# KiCad board Keyboard.kicad_pcb (continued)
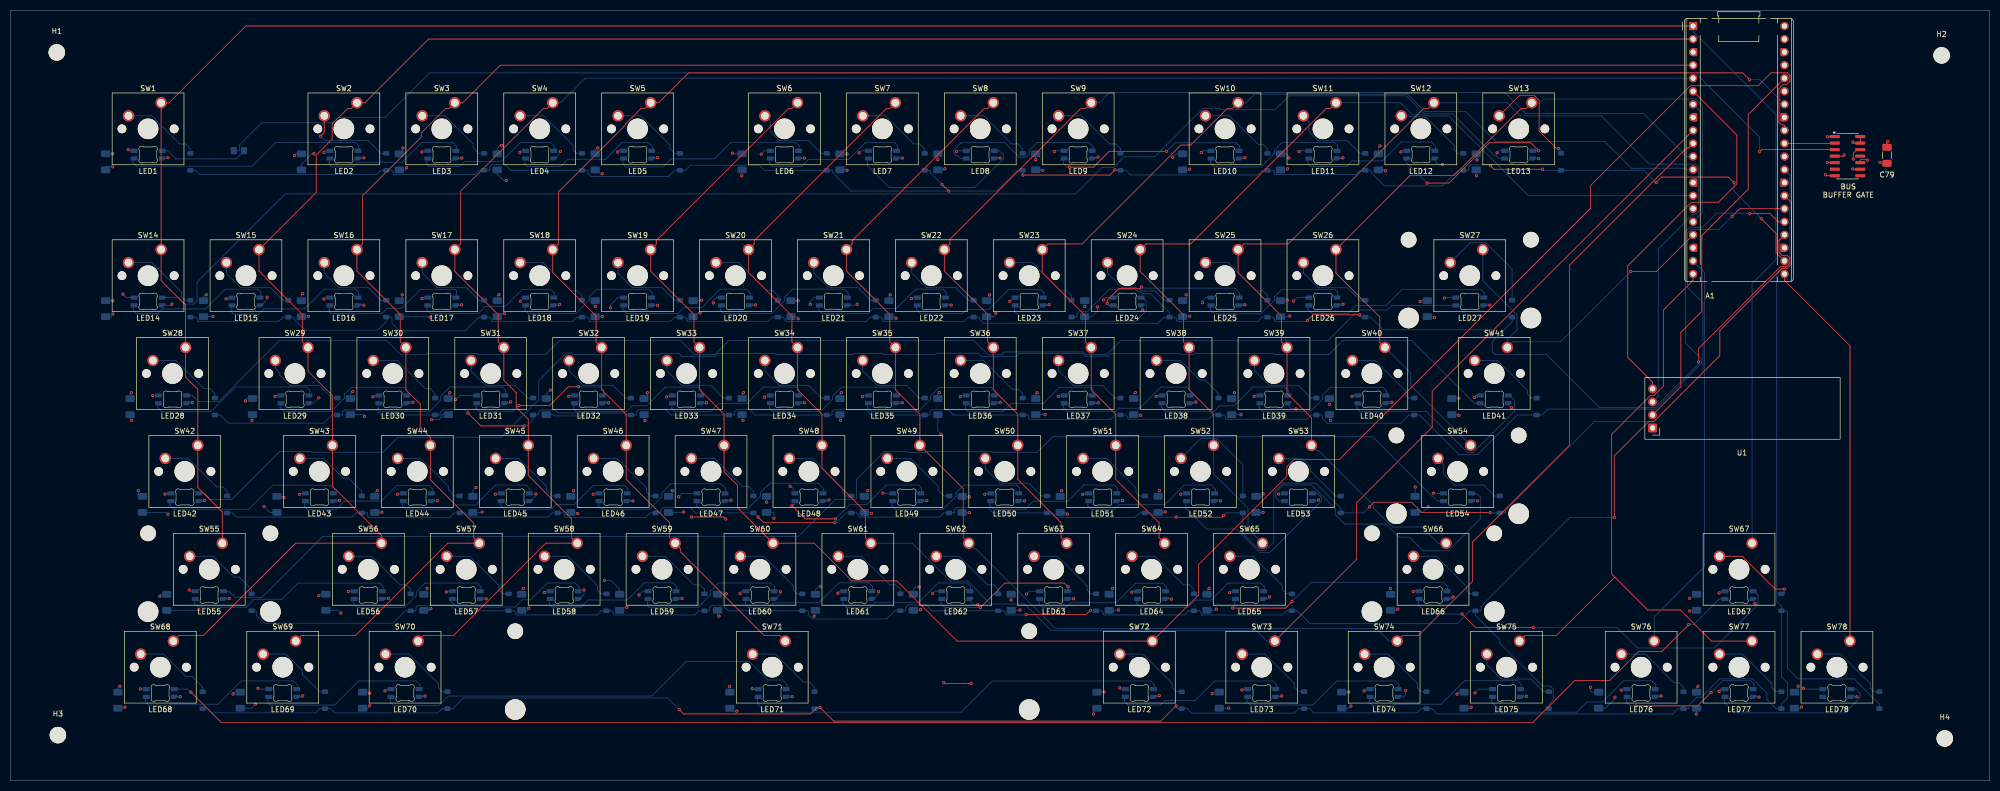
[diagram p0: board, top side]
## Routing (per net, layer and track width the routed paths; a pad name or vN(x,y) marks a point on that pad's centre or on a via; arc(x,y) is an arc through that point) (continued)
COLUMN 4: length 366.6
  Top Layer w0.153: SW70.1 80.45,28.27 86.22,28.27 104.17,46.22 SW58.1 109.22,47.32 109.22,50.97 100.79,59.4 SW45.1 100.79,70.33 98.44,72.67 98.44,75.53 96.03,77.95 SW31.1 94.93,85.42 94.93,90.7 86.5,99.13 SW17.1 87.59,104.47 87.59,114.7 103.75,130.86 104.46,130.86 SW4.1
  Bottom Layer w0.153: A1.5 111.87,136.73 107.1,131.95 SW4.1
COLUMN 5: length 359.2
  Top Layer w0.153: v1(338.41,136.44) 337.08,137.77 131.96,137.77 126.15,131.95 SW5.1 123.51,130.86 122.75,130.86 119.75,127.85 119.75,127.69 106.64,114.58 106.64,104.47 SW18.1 105.55,98.89 113.98,90.46 113.98,85.42 SW32.1 115.07,76.1 119.84,71.33 SW46.1 119.84,58.64 128.27,50.21 128.27,47.32 SW59.1 130.46,45.13 130.46,44.48 146.67,28.27 149.7,28.27 SW71.1
  Bottom Layer w0.153: v1(338.41,136.44) 340.43,136.44 344.34,132.53 A1.34
COLUMN 6: length 379.5
  Top Layer w0.153: SW6.1 152.08,130.86 151.44,130.86 125.69,105.11 125.69,104.47 SW19.1 124.6,99.19 133.03,90.76 133.03,85.42 SW33.1 134.12,76.1 138.89,71.33 SW47.1 138.89,60.11 141.49,57.51 141.49,53.14 SW60.1 156.42,46.22 163.75,38.89 172.5,38.89 184.22,27.17 SW72.1 231.22,36.16 231.22,42.08 248.39,59.25 248.39,61.13 249.79,62.53 258.59,62.53 307.48,111.42 307.48,115.84 326.92,135.27 340.09,135.27 342.6,137.78 345.74,137.78 346.28,137.24 346.28,136.15 345.59,135.46 344.9,135.46 344.13,134.69 344.13,128.11 344.58,127.65 345.13,127.65 345.22,127.56 A1.32
COLUMN 7: length 327.4
  Top Layer w0.153: SW61.1 166.37,47.32 166.37,52.36 157.94,60.79 SW48.1 157.94,71.33 153.18,76.1 SW34.1 152.08,85.42 152.08,90.46 143.65,98.89 SW20.1 144.74,104.47 144.74,105.1 170.5,130.86 171.13,130.86 SW7.1 ; A1.9 326.56,125.69 276.67,75.8 276.67,68.8 261.96,54.08 261.96,43.09 247.14,28.27 SW73.1
  Bottom Layer w0.153: SW61.1 175.47,46.22 182.83,38.87 186.28,38.87 190.75,34.4 197.35,34.4 202.49,29.26 242.41,29.26 244.5,27.17 SW73.1
COLUMN 8: length 321.7
  Top Layer w0.153: A1.10 326.56,123.15 326.19,123.15 303.37,100.34 303.37,65.29 284.51,46.42 284.51,38.78 274,28.27 270.95,28.27 SW74.1 ; SW62.1 185.42,47.32 185.42,56.84 SW49.1 176.99,71.33 172.22,76.1 SW35.1 171.13,85.42 171.13,90.76 162.7,99.19 SW21.1 163.79,104.47 163.79,105.1 189.55,130.86 190.18,130.86 SW8.1
  Bottom Layer w0.153: SW74.1 268.31,27.17 265.89,29.59 203.4,29.59 187.86,45.13 187.61,45.13 SW62.1
COLUMN 9: length 231.1
  Top Layer w0.153: SW9.1 209.23,130.86 208.31,130.86 182.84,105.39 182.84,104.47 SW22.1 181.75,99.19 190.18,90.76 190.18,85.42 SW36.1 191.27,76.1 196.04,71.33 SW50.1 196.04,58.64 204.47,50.21 204.47,47.32 SW63.1
  Bottom Layer w0.153: SW9.1 211.87,131.95 213.86,133.94 290.81,133.94 294.91,129.84 317.84,129.84 326.19,121.49 A1.11
COLUMN 10: length 212.3
  Top Layer w0.153: SW64.1 223.52,47.32 223.52,50.21 215.09,58.64 SW51.1 215.09,71.33 210.32,76.1 SW37.1 209.23,85.42 209.23,90.46 200.8,98.89 SW23.1 201.89,104.47 208.52,104.47 227.77,123.72 229.68,123.72 236.81,130.86 237.81,130.86 SW10.1
  Bottom Layer w0.153: SW10.1 240.45,131.95 242.12,133.62 271.85,133.62 275.26,130.22 283.23,130.22 289.01,124.43 310.23,124.43 315.46,119.2 325.94,119.2 326.19,118.95 A1.12
COLUMN 11: length 193.9
  Top Layer w0.153: SW11.1 256.86,130.86 256.06,130.86 229.68,104.47 220.94,104.47 SW24.1 219.85,99.13 228.28,90.7 228.28,85.42 SW38.1 229.38,76.1 234.14,71.33 SW52.1
  Bottom Layer w0.153: SW11.1 270.51,131.95 272.86,129.6 274.92,129.6 275.66,129.37 279.9,129.37 295.4,113.87 A1.14 ; SW52.1 234.14,59.74 240.84,53.04 240.84,49.05 SW65.1
COLUMN 12: length 193.6
  Top Layer w0.153: SW53.1 253.19,70.65 248.43,75.41 SW39.1 247.33,85.42 247.33,90.46 238.9,98.89 SW25.1 239.99,104.47 248.63,104.47 275.02,130.86 275.91,130.86 SW12.1
  Bottom Layer w0.153: SW66.1 277.83,46.22 274.67,49.39 268.94,49.39 265.24,53.08 265.24,53.61 254.67,64.18 254.28,64.18 SW53.1 ; A1.15 328.32,112.21 328.49,112.38 328.49,119.4 327.89,120 318.92,120 309.54,129.39 293.84,129.39 291.28,131.95 SW12.1
COLUMN 13: length 156.2
  Top Layer w0.153: SW13.1 294.96,130.86 293.98,130.86 280.89,117.77 272.34,117.77 SW26.1 257.95,98.77 266.48,90.25 266.48,85.32 SW40.1
  Bottom Layer w0.153: SW54.1 272.51,76.91 272.51,79.29 SW40.1 ; SW13.1 297.6,131.95 298.33,132.69 327.88,132.69 329.23,131.33 329.23,110.58 328.32,109.67 A1.16
COLUMN 14: length 67.8
  Top Layer w0.153: A1.17 326.56,105.37 320.3,99.1 v1(315.28,99.1)
  Bottom Layer w0.153: v1(315.28,99.1) 301.6,85.42 292.38,85.42 SW41.1 291.29,85.87 293.16,87.74 293.16,90.69 286.52,97.32 SW27.1
COLUMN 15: length 79
  Bottom Layer w0.153: SW76.1 319.86,31.85 329.66,41.65 329.66,98.95 328.32,100.29 A1.19
COLUMN 16: length 121.8
  Top Layer w0.153: A1.20 327.44,97.38 321.7,91.64 321.7,76.85 319.87,75.02 319.17,75.02 311.55,67.4 311.55,40.28 312.21,39.63 ; 312.21,39.63 318.6,33.23 324.93,33.23 330.98,27.17 SW77.1 ; 312.21,39.63 300.85,28.27 294.76,28.27 293.67,27.17
COLUMN 17: length 76.7
  Top Layer w0.153: A1.21 345.22,97.38 357.96,84.64 SW78.1
LED: length 9.8
  Top Layer w0.153: U2.2 354.94,124.03 A1.31
ROW 1: length 343.5
  Top Layer w0.153: v1(214.94,118.9) 213.91,117.87 v1(197.03,117.87) ; A1.22 344.34,102.05 343.58,102.81 343.58,106.52 v1(340.7,109.4) ; v1(182.62,114.76) 182.6,114.76 v1(181.31,116.05) ; v1(320.22,116.42) 321.29,117.49 334.31,117.49 v1(335.4,116.4) ; v1(298.14,119.01) 288.7,119.01 v1(288,119.7)
  Bottom Layer w0.153: v1(214.94,118.9) 215.04,118.8 D9.1 217.07,118.8 217.97,117.89 242.65,117.89 243.56,118.8 D10.1 245.64,118.8 246,118.44 246,118.11 246.12,117.99 261.8,117.99 262.61,118.8 D11.1 264.69,118.8 264.79,118.7 264.79,118.35 267.36,115.78 278.64,115.78 281.66,118.8 D12.1 283.64,118.8 283.73,118.89 283.73,119.4 284.2,119.87 287.83,119.87 v1(288,119.7) ; D1.1 36.09,118.8 36.91,117.98 71.29,117.98 72.11,118.8 D2.1 74.19,118.8 74.55,118.44 74.55,118.11 74.67,117.99 90.35,117.99 91.16,118.8 D3.1 93.14,118.8 93.24,118.9 93.24,119.42 93.77,119.95 96.25,119.95 97.4,118.8 D4.1 112.29,118.8 112.39,118.7 112.39,118.19 112.98,117.61 128.07,117.61 129.26,118.8 D5.1 131.34,118.8 132.33,119.79 145.77,119.79 146.76,118.8 D6.1 159.92,118.8 160.01,118.7 160.01,118.37 163.62,114.76 v1(182.62,114.76) 191.89,114.76 195.93,118.8 D8.1 196.98,117.93 v1(197.03,117.87) ; v1(340.7,109.4) 335.4,114.7 v1(335.4,116.4) ; v1(181.31,116.05) 179.05,118.31 179.05,118.72 178.97,118.8 D7.1 ; v1(320.22,116.42) 317.84,118.8 D13.1 298.35,118.8 v1(298.14,119.01)
ROW 2: length 389.4
  Top Layer w0.153: A1.24 344.37,105.39 344.15,105.18 344.15,102.82 344.71,102.27 345.7,102.27 346.27,101.7 346.27,100.75 345.87,100.24 345.55,100.08 344.46,100.08 328.49,84.12 v1(328.49,81.53) ; v1(252.43,89.61) 253.5,90.68 v1(262.56,90.68)
  Bottom Layer w0.153: D24.1 224.51,90.22 223.32,89.04 189.36,89.04 188.58,89.82 188.58,90.14 188.49,90.22 D22.1 186.41,90.22 185.6,89.41 169.91,89.41 169.81,89.51 169.81,89.85 169.44,90.22 D21.1 167.36,90.22 166.5,89.37 150.91,89.37 150.76,89.52 150.76,89.85 150.39,90.22 D20.1 148.31,90.22 147.5,89.41 131.82,89.41 131.7,89.54 131.7,89.86 131.34,90.22 D19.1 129.26,90.22 128.42,89.39 112.79,89.39 112.65,89.54 112.65,89.87 112.29,90.22 D18.1 110.21,90.22 109.4,89.41 93.72,89.41 93.6,89.53 93.6,89.86 93.24,90.22 D17.1 91.16,90.22 88.49,87.55 75.73,87.55 74.27,89.02 74.27,90.15 74.19,90.22 D16.1 73.15,89.33 71.51,87.69 57.35,87.69 55.23,89.81 55.23,90.13 55.14,90.22 D15.1 53.06,90.22 52.25,89.41 36.56,89.41 36.46,89.51 36.46,89.85 36.09,90.22 D14.1 ; D24.1 225.55,91.12 221.84,94.83 220.25,94.83 219.87,95.21 219.47,95.21 219.28,95.4 218.55,95.66 213.86,95.66 209.53,91.34 208.03,91.34 207.54,90.84 207.54,90.32 207.44,90.22 D23.1 ; D24.1 226.59,90.22 226.95,89.86 226.95,89.55 227.13,89.37 242.7,89.37 243.56,90.22 D25.1 245.64,90.22 246,89.86 246,89.53 246.15,89.38 252.2,89.38 v1(252.43,89.61) ; v1(262.56,90.68) 262.56,90.5 262.84,90.22 D26.1 264.69,90.22 267.15,87.77 288.73,87.77 291.18,90.22 D27.1 292.23,89.33 288.36,85.47 288.36,83.51 288.95,82.93 298.92,82.93 309.21,72.64 320.01,72.64 328.49,81.12 v1(328.49,81.53)
ROW 3: length 364.2
  Top Layer w0.153: v1(338.44,110.38) 342.39,110.38 343.97,108.79 A1.25 ; v1(100.02,69.06) 91.56,69.06 v1(89.05,71.56)
  Bottom Layer w0.153: v1(100.02,69.06) 100.5,69.06 101.72,70.28 D31.1 102.67,71.17 102.75,71.26 102.75,71.77 103.15,72.17 106,72.17 106.61,71.56 119.35,71.56 119.73,71.17 D32.1 121.72,71.17 121.81,71.26 121.81,71.78 122.25,72.22 127.52,72.22 128.57,71.17 D33.1 140.77,71.17 140.86,71.26 140.86,71.77 141.31,72.22 143.9,72.22 144.94,71.17 D34.1 159.82,71.17 159.9,71.26 159.9,71.8 160.31,72.21 166.53,72.21 167.56,71.17 D35.1 178.87,71.17 178.95,71.26 178.95,71.8 179.36,72.2 182.46,72.2 183.48,71.17 D36.1 198.02,71.17 198.08,71.11 198.08,70.65 198.41,70.32 214.13,70.32 214.98,71.17 D37.1 217.07,71.17 217.43,70.81 217.43,70.48 217.55,70.36 233.22,70.36 234.03,71.17 D38.1 236.12,71.17 236.48,70.81 236.48,70.47 236.6,70.35 252.26,70.35 253.08,71.17 D39.1 255.17,71.17 255.3,71.04 255.3,70.49 256.23,69.57 270.53,69.57 272.13,71.17 D40.1 274.2,71.17 281.91,63.46 285.52,63.46 293.23,71.17 D41.1 298.03,71.17 299.18,72.33 320.16,72.33 329.04,81.21 329.04,82.1 325.96,85.18 325.96,106.89 326.78,107.7 329.24,107.7 332,110.47 338.35,110.47 v1(338.44,110.38) ; v1(89.05,71.56) 88.37,72.25 84.27,72.25 83.62,71.59 83.62,71.17 D30.1 72.2,71.17 71.22,72.16 65.02,72.16 64.65,71.79 64.65,71.26 64.57,71.17 D29.1 62.58,71.17 61.01,69.6 42.43,69.6 40.85,71.17 D28.1
ROW 4: length 379.2
  Top Layer w0.153: v1(264.46,53.29) 265.37,54.2 272.66,54.2 274.68,52.18 v1(287.94,52.18) ; v1(226.82,51.28) 235.76,51.28 v1(236.1,51.63) ; v1(335.03,109.86) 336.5,111.33 A1.26 ; v1(145.49,51.31) 146.58,50.22 v1(160.41,50.22)
  Bottom Layer w0.153: v1(335.03,109.86) 332.49,107.32 327.03,107.32 326.37,106.65 326.37,96.01 329.35,93.03 329.35,79.42 319.81,69.88 308.22,69.88 290.92,52.58 290.92,52.22 290.83,52.12 287.99,52.12 v1(287.94,52.18) ; v1(236.1,51.63) 236.6,52.12 239.84,52.12 239.84,48.1 243.11,44.83 244.21,44.83 245.86,46.48 245.86,56.17 247.6,57.92 253.99,57.92 258.89,53.02 258.89,52.12 263.29,52.12 v1(264.46,53.29) ; v1(160.41,50.22) 160.69,50.22 162.6,52.12 164.68,52.12 165.05,51.75 165.05,51.41 165.15,51.31 180.84,51.31 181.65,52.12 183.63,52.12 183.72,52.22 183.72,52.73 184.2,53.21 190.15,53.21 191.23,52.12 202.78,52.12 203.14,51.76 203.14,51.42 203.29,51.26 218.89,51.26 219.75,52.12 221.83,52.12 222.18,51.77 222.18,51.46 222.36,51.28 v1(226.82,51.28) ; v1(145.49,51.31) 145.49,51.37 144.74,52.12 133.35,52.12 132.32,53.15 126.98,53.15 126.57,52.74 126.57,52.21 126.48,52.12 124.5,52.12 123.63,51.26 108.06,51.26 107.88,51.44 107.88,51.77 107.53,52.12 105.45,52.12 104.64,51.31 88.98,51.31 88.84,51.46 88.84,51.77 88.48,52.12 86.4,52.12 85.46,51.19 69.83,51.19 69.51,51.51 69.51,52.05 69.43,52.12 67.35,52.12 66.53,51.31 44.05,51.31 43.23,52.12 42.19,52.12
ROW 5: length 392.6
  Top Layer w0.153: A1.27 346.1,112.99 346.58,112.51 346.58,100.49 345.82,99.74 344.72,99.74 332.63,87.65 332.63,82.73 319.78,69.88 318.74,69.88 312.1,63.23 v1(312.1,51.25) ; v1(210.18,33.18) 209.33,32.33 v1(197.67,32.33)
  Bottom Layer w0.153: D66.1 284.04,33.07 281.53,30.57 252.91,30.57 250.4,33.07 D65.1 248.32,33.07 247.5,32.25 231.84,32.25 231.72,32.37 231.72,32.71 231.35,33.07 D64.1 229.27,33.07 228.46,32.26 212.81,32.26 212.66,32.41 212.66,32.72 212.3,33.07 D63.1 210.28,33.07 v1(210.18,33.18) ; D66.1 286.06,33.07 286.18,33.19 286.18,33.94 303.49,51.25 v1(312.1,51.25) ; D66.1 285.08,32.18 289.84,27.42 289.84,26.73 298.16,18.41 299.68,18.41 300.22,17.87 300.22,15.76 299.37,14.92 D75.1 ; D55.1 47.75,33.07 47.92,32.91 47.92,32.17 49.44,30.65 74.45,30.65 76.87,33.07 D56.1 78.86,33.07 78.94,33.16 78.94,33.7 79.35,34.11 85.71,34.11 86.74,33.07 D57.1 98,33.07 98.36,32.72 98.36,32.41 98.51,32.26 114.16,32.26 114.97,33.07 D58.1 117.05,33.07 117.42,32.71 117.42,32.38 117.54,32.26 133.2,32.26 134.02,33.07 D59.1 136.01,33.07 136.1,33.16 136.1,33.69 136.54,34.14 138.62,34.14 139.68,33.07 D60.1 155.15,33.07 155.29,32.94 155.29,32.32 156.12,31.48 170.53,31.48 172.12,33.07 D61.1 174.11,33.07 174.2,33.17 174.2,33.69 174.7,34.19 178.19,34.19 179.31,33.07 D62.1 193.25,33.07 193.61,32.72 193.61,32.41 193.75,32.26 197.6,32.26 v1(197.67,32.33)
ROW 6: length 465.1
  Top Layer w0.153: v1(226.84,14.56) 223.88,11.6 160.21,11.6 v1(157.56,14.25) 156.94,14.25 155.69,13 131.02,13 v1(130.19,13.84)
  Bottom Layer w0.153: D67.1 344.61,20.25 345.79,19.07 345.79,16.1 344.61,14.92 D77.1 343.57,14.02 341.8,15.8 341.8,17.06 339.03,19.83 332.63,19.83 329.07,16.26 328.18,16.26 326.64,14.72 326.64,14.16 326.51,14.02 D76.1 324.52,14.02 323.49,12.99 277.63,12.99 276.6,14.02 D74.1 274.52,14.02 273.7,13.21 253.6,13.21 252.78,14.02 D73.1 250.7,14.02 249.83,13.15 229.84,13.15 228.97,14.02 D72.1 227.16,14.02 226.84,14.34 v1(226.84,14.56) ; D67.1 344.61,33.97 343.71,34.87 343.71,98.59 344.88,99.76 345.32,99.76 346.28,100.73 346.28,117.88 346.02,118.15 A1.29 ; D67.1 345.65,33.07 345.77,32.96 345.77,21.92 347.87,19.82 358.76,19.82 363.66,14.92 D78.1 ; D68.1 38.47,14.02 39.28,13.21 59.39,13.21 60.2,14.02 D69.1 62.28,14.02 63.11,13.2 83.19,13.2 84.02,14.02 D70.1 86.1,14.02 88.17,16.1 127.93,16.1 v1(130.19,13.84) ; D71.1 157.32,14.02 157.55,14.25 157.55,14.25 v1(157.56,14.25)
SCL: length 62.7
  Bottom Layer w0.153: A1.7 328.23,130.86 328.86,130.23 328.86,111.19 327.94,110.28 327.43,110.28 320.64,103.49 320.64,74.82 U1.3
SDA: length 75.3
  Top Layer w0.153: A1.6 328.32,133.31 335.94,125.69 335.94,116.17 332.36,112.58 327.11,112.58 314.72,100.2 314.72,82.4 319.55,77.57 U1.4
Net-(D1-A): length 15.6
  Bottom Layer w0.153: D1.2 35.05,122.99 34.11,123.93 32.93,123.93 27.45,129.41 SW1.2
Net-(D2-A): length 18.4
  Top Layer w0.153: SW2.2 61.1,126.15 v1(60.38,125.43)
  Bottom Layer w0.153: D2.2 72.11,122.1 69.63,124.58 61.23,124.58 v1(60.38,125.43)
Net-(D3-A): length 15.5
  Bottom Layer w0.153: D3.2 91.16,122.1 90.05,123.21 90.05,123.96 84.6,129.41 SW3.2
Net-(D4-A): length 15.6
  Bottom Layer w0.153: D4.2 110.21,122.1 109.51,122.8 109.51,123.65 103.75,129.41 SW4.2
Net-(D5-A): length 15.5
  Bottom Layer w0.153: D5.2 129.26,122.1 128.35,123.01 128.35,123.76 122.7,129.41 SW5.2
Net-(D6-A): length 16.2
  Bottom Layer w0.153: SW6.2 147.92,128.32 147.92,126.33 149.67,124.57 155.37,124.57 157.83,122.1 D6.2
Net-(D7-A): length 15.6
  Bottom Layer w0.153: SW7.2 170.33,129.41 175.8,123.93 176.98,123.93 177.93,122.99 D7.2
Net-(D8-A): length 15.6
  Bottom Layer w0.153: 184.93,129.41 189.38,129.41 194.85,123.93 196.03,123.93 196.98,122.99 D8.2
Net-(D9-A): length 15.6
  Bottom Layer w0.153: D9.2 216.02,122.99 215.08,123.93 213.9,123.93 208.43,129.41 SW9.2
Net-(D10-A): length 15.6
  Bottom Layer w0.153: D10.2 244.6,122.99 243.76,123.83 242.82,123.83 237.24,129.41 SW10.2
Net-(D11-A): length 16.2
  Bottom Layer w0.153: SW11.2 252.69,128.32 252.69,126.33 254.47,124.55 260.15,124.55 262.61,122.1 D11.2
Net-(D12-A): length 15.5
  Bottom Layer w0.153: SW12.2 272.2,129.41 272.36,129.25 274.95,129.25 275.4,129.1 275.79,128.82 280.96,123.65 280.96,122.8 281.66,122.1 D12.2
Net-(D13-A): length 22.2
  Top Layer w0.153: SW13.2 293.61,133.32 296.57,133.32 297.48,132.42 297.48,126.43 300.87,123.03 v1(301.23,123.03)
  Bottom Layer w0.153: D13.2 301.75,122.72 301.44,123.03 v1(301.23,123.03)
Net-(D14-A): length 15.6
  Bottom Layer w0.153: 23,100.83 27.56,100.83 33.3,95.1 33.3,94.23 34.01,93.52 D14.2
Net-(D15-A): length 16.3
  Bottom Layer w0.153: 42.05,100.83 42.05,98.73 44.77,96.01 50.58,96.01 53.06,93.52 D15.2
Net-(D16-A): length 16.3
  Bottom Layer w0.153: D16.2 72.11,93.52 69.63,96.01 63.82,96.01 61.1,98.73 61.1,100.83
Net-(D17-A): length 16.2
  Bottom Layer w0.153: D17.2 91.16,93.52 88.73,95.95 83.05,95.95 80.15,98.86 80.15,100.83
Net-(D18-A): length 15.6
  Bottom Layer w0.153: 99.2,100.83 103.65,100.83 109.13,95.36 110.31,95.36 111.25,94.42 D18.2
Net-(D19-A): length 16.3
  Bottom Layer w0.153: 118.25,100.83 118.25,98.77 121,96.02 126.77,96.02 129.26,93.52 D19.2
Net-(D20-A): length 15.6
  Bottom Layer w0.153: D20.2 149.35,94.42 148.41,95.36 147.23,95.36 141.75,100.83 137.3,100.83
Net-(D21-A): length 16.2
  Bottom Layer w0.153: D21.2 167.36,93.52 164.88,96.01 159.19,96.01 156.35,98.84 156.35,100.83
Net-(D22-A): length 16.2
  Bottom Layer w0.153: D22.2 186.41,93.52 183.93,96.01 178.24,96.01 175.4,98.85 175.4,100.83
Net-(D23-A): length 15.6
  Bottom Layer w0.153: D23.2 206.5,94.42 205.56,95.36 204.38,95.36 198.9,100.83 194.45,100.83
Net-(D24-A): length 16.2
  Bottom Layer w0.153: D24.2 224.51,93.52 222.72,95.31 220.26,95.31 219.97,95.6 219.26,95.79 219.07,95.99 216.32,95.99 213.5,98.81 213.5,100.83
Net-(D25-A): length 15.6
  Bottom Layer w0.153: D25.2 244.6,94.42 243.66,95.36 242.48,95.36 237,100.83 232.55,100.83
Net-(D26-A): length 16.2
  Bottom Layer w0.153: D26.2 262.61,93.52 260.19,95.94 254.5,95.94 251.6,98.84 251.6,100.83
Net-(D27-A): length 21.8
  Bottom Layer w0.153: D27.2 292.23,99.58 287.09,104.71 284.05,104.71 280.18,100.83
Net-(D28-A): length 15.6
  Bottom Layer w0.153: D28.2 39.81,75.37 38.87,76.31 37.69,76.31 32.21,81.78 SW28.2
Net-(D29-A): length 16.2
  Bottom Layer w0.153: D29.2 62.58,74.47 60.12,76.94 54.43,76.94 52.44,78.93 52.44,79.37 51.57,80.24 51.57,81.78
Net-(D30-A): length 15.6
  Bottom Layer w0.153: SW30.2 75.28,81.78 80.73,76.33 81.71,76.33 82.68,75.37 D30.2
Net-(D31-A): length 16.3
  Bottom Layer w0.153: D31.2 100.68,74.47 98.23,76.93 92.5,76.93 89.68,79.76 SW31.2
Net-(D32-A): length 16.3
  Bottom Layer w0.153: D32.2 119.73,74.47 117.24,76.97 111.52,76.97 108.72,79.76 SW32.2
Net-(D33-A): length 16.3
  Bottom Layer w0.153: SW33.2 127.78,79.78 130.58,76.97 136.29,76.97 138.78,74.47 D33.2
Net-(D34-A): length 16.3
  Bottom Layer w0.153: SW34.2 146.82,79.78 149.68,76.93 155.38,76.93 157.83,74.47 D34.2
Net-(D35-A): length 16.3
  Bottom Layer w0.153: SW35.2 165.88,79.78 168.73,76.93 174.43,76.93 176.88,74.47 D35.2
Net-(D36-A): length 15.6
  Bottom Layer w0.153: D36.2 196.98,75.37 196.15,76.19 194.97,76.19 189.38,81.78 184.93,81.78
Net-(D37-A): length 16.2
  Bottom Layer w0.153: D37.2 214.98,74.47 212.57,76.89 206.88,76.89 203.98,79.79 SW37.2
Net-(D38-A): length 15.6
  Bottom Layer w0.153: SW38.2 227.65,81.78 231.46,77.98 232.46,77.98 235.07,75.37 D38.2
Net-(D39-A): length 16.2
  Bottom Layer w0.153: SW39.2 242.07,79.79 244.91,76.96 250.6,76.96 253.08,74.47 D39.2
Net-(D40-A): length 15.5
  Bottom Layer w0.153: D40.2 272.13,74.47 271.45,75.16 271.45,75.92 265.58,81.78 SW40.2
Net-(D41-A): length 15.5
  Bottom Layer w0.153: D41.2 295.95,74.47 295.22,75.2 295.22,75.95 289.39,81.78 SW41.2
Net-(D42-A): length 15.6
  Bottom Layer w0.153: SW42.2 34.59,62.73 40.15,57.17 41.34,57.17 42.19,56.32 D42.2
Net-(D43-A): length 15.6
  Bottom Layer w0.153: D43.2 68.39,56.32 65.78,58.92 64.79,58.92 60.97,62.73 SW43.2
Net-(D44-A): length 15.5
  Bottom Layer w0.153: D44.2 86.4,55.42 85.26,56.56 85.26,57.31 79.83,62.73 SW44.2
Net-(D45-A): length 15.5
  Bottom Layer w0.153: D45.2 105.45,55.42 104.34,56.53 104.34,57.28 98.89,62.73 SW45.2
Net-(D46-A): length 15.6
  Bottom Layer w0.153: SW46.2 118.04,62.73 123.79,56.98 123.79,56.13 124.5,55.42 D46.2
Net-(D47-A): length 15.6
  Bottom Layer w0.153: SW47.2 136.99,62.73 142.46,57.26 143.64,57.26 144.59,56.32 D47.2
Net-(D48-A): length 15.6
  Bottom Layer w0.153: D48.2 162.6,55.42 161.89,56.13 161.89,56.98 156.14,62.73 SW48.2
Net-(D49-A): length 15.5
  Bottom Layer w0.153: SW49.2 175.13,62.73 180.57,57.29 180.57,56.5 181.65,55.42 D49.2
Net-(D50-A): length 16.2
  Bottom Layer w0.153: D50.2 200.7,55.42 198.21,57.91 192.52,57.91 189.69,60.75 SW50.2
Net-(D51-A): length 15.6
  Bottom Layer w0.153: D51.2 219.75,55.42 219.04,56.13 219.04,56.99 213.29,62.73 SW51.2
Net-(D52-A): length 21.9
  Bottom Layer w0.153: D52.2 239.84,61.5 234.72,66.62 231.67,66.62 SW52.2
Net-(D53-A): length 15.5
  Bottom Layer w0.153: D53.2 257.85,55.42 253.03,60.24 253.03,60.99 251.29,62.73 SW53.2
Net-(D54-A): length 16.2
  Bottom Layer w0.153: SW54.2 278.89,61.64 278.89,59.7 281.04,57.54 286.69,57.54 288.8,55.42 D54.2
Net-(D55-A): length 15.6
  Bottom Layer w0.153: D55.2 46.96,37.27 44.58,39.64 43.51,39.64 39.46,43.69 SW55.2
Net-(D56-A): length 15.6
  Bottom Layer w0.153: SW56.2 70.31,43.69 75.87,38.12 77.05,38.12 77.91,37.27 D56.2
Net-(D57-A): length 15.5
  Bottom Layer w0.153: D57.2 95.92,36.38 95.1,37.2 95.1,37.99 89.4,43.69 SW57.2
Net-(D58-A): length 15.6
  Bottom Layer w0.153: D58.2 114.97,36.38 114.27,37.08 114.27,37.94 108.52,43.69 SW58.2
Net-(D59-A): length 15.6
  Bottom Layer w0.153: SW59.2 127.46,43.69 133.02,38.12 134.2,38.12 135.06,37.27 D59.2
Net-(D60-A): length 15.6
  Bottom Layer w0.153: D60.2 153.07,36.38 152.37,37.08 152.37,37.94 146.62,43.69 SW60.2
Net-(D61-A): length 15.6
  Bottom Layer w0.153: D61.2 173.16,37.27 172.3,38.12 171.12,38.12 165.56,43.69 SW61.2
Net-(D62-A): length 15.6
  Bottom Layer w0.153: SW62.2 184.61,43.69 190.17,38.12 191.35,38.12 192.21,37.27 D62.2
Net-(D63-A): length 15.6
  Bottom Layer w0.153: D63.2 210.22,36.38 209.52,37.08 209.52,37.94 203.77,43.69 SW63.2
Net-(D64-A): length 15.6
  Bottom Layer w0.153: SW64.2 222.71,43.69 228.27,38.12 229.45,38.12 230.31,37.27 D64.2
Net-(D65-A): length 15.5
  Bottom Layer w0.153: SW65.2 241.77,43.69 247.51,37.94 247.51,37.19 248.32,36.38 D65.2
Net-(D66-A): length 15.5
  Bottom Layer w0.153: D66.2 284.04,36.38 283.31,37.11 283.31,37.85 277.48,43.69 SW66.2
Net-(D67-A): length 16.8
  Top Layer w0.153: v1(345.18,37.31) 343.39,37.31 337.01,43.69 SW67.2
  Bottom Layer w0.153: D67.2 345.18,36.38 v1(345.18,37.31)
Net-(D68-A): length 15.6
  Bottom Layer w0.153: D68.2 37.43,18.22 35.38,20.27 34.2,20.27 29.83,24.63 SW68.2
Net-(D69-A): length 15.5
  Bottom Layer w0.153: D69.2 60.2,17.32 56.86,20.67 56.86,21.41 53.64,24.63 SW69.2
Net-(D70-A): length 15.6
  Bottom Layer w0.153: SW70.2 77.57,24.63 83.31,18.89 83.31,18.03 84.02,17.32 D70.2
Net-(D71-A): length 15.6
  Bottom Layer w0.153: D71.2 156.49,18.22 155.5,19.21 154.31,19.21 148.89,24.63 SW71.2
Net-(D72-A): length 15.5
  Bottom Layer w0.153: SW72.2 220.37,24.63 226.07,18.94 226.07,18.15 226.89,17.32 D72.2
Net-(D73-A): length 15.5
  Bottom Layer w0.153: D73.2 250.7,17.32 249.79,18.23 249.79,18.98 244.14,24.63 SW73.2
Net-(D74-A): length 15.6
  Bottom Layer w0.153: SW74.2 268.11,24.63 273.8,18.94 273.8,18.04 274.52,17.32 D74.2
Net-(D75-A): length 16.3
  Bottom Layer w0.153: D75.2 298.33,17.32 295.87,19.79 290.12,19.79 287.32,22.59 287.32,23.09 SW75.2
Net-(D76-A): length 15.6
  Bottom Layer w0.153: D76.2 325.56,18.22 324.72,19.06 323.75,19.06 318.18,24.63 SW76.2
Net-(D77-A): length 15.5
  Bottom Layer w0.153: SW77.2 337.05,24.63 342.77,18.92 342.77,18.13 343.57,17.32 D77.2
Net-(D78-A): length 15.6
  Bottom Layer w0.153: SW78.2 356.17,24.63 361.92,18.89 361.92,18.03 362.62,17.32 D78.2
Net-(LED1-DIN): length 17.2
  Bottom Layer w0.153: 29.65,122.6 30.65,122.6 32.22,121.03 43.96,121.03 45.47,122.54 R1.1
Net-(LED1-DOUT): length 48.2
  Bottom Layer w0.153: 67.75,122.6 67.78,123.32 67.78,123.6 67.17,124.22 51.66,124.22 47.05,119.6 24.58,119.6 23.87,120.31 23.87,120.42 23.94,121.1
Net-(LED2-DOUT): length 29.2
  Bottom Layer w0.153: 62.06,121.1 62.04,120.31 62.04,120.04 62.58,119.5 66.8,119.5 67.68,120.38 76.23,120.38 80.03,124.18 86.15,124.18 86.84,123.49 86.84,123.37 86.81,122.6
Net-(LED3-DOUT): length 29.2
  Bottom Layer w0.153: 81.15,121.1 81.06,120.42 81.06,119.95 81.48,119.54 87.4,119.54 88.36,120.5 95.52,120.5 99.22,124.2 105.14,124.2 105.88,123.46 105.88,123.34 105.86,122.6
Net-(LED4-DOUT): length 29.2
  Bottom Layer w0.153: 124.9,122.6 124.93,123.34 124.93,123.46 124.18,124.2 119.07,124.2 115.82,120.95 108.49,120.95 107.05,119.51 100.62,119.51 100.13,119.99 100.13,120.25 100.16,121.1
Net-(LED5-DOUT): length 38.8
  Bottom Layer w0.153: 119.21,121.1 119.19,120.36 119.19,120.08 119.79,119.48 127.03,119.48 128.58,121.03 137,121.03 140.23,124.26 152.75,124.26 153.5,123.5 153.5,123.37 153.48,122.6
Net-(LED6-DOUT): length 29.2
  Bottom Layer w0.153: 147.8,121.1 147.75,120.31 147.75,120.17 148.39,119.53 153.95,119.53 155.35,120.93 163.1,120.93 166.35,124.19 172.01,124.19 172.63,123.56 172.63,123.45 172.55,122.6
Net-(LED7-DOUT): length 34.7
  Bottom Layer w0.153: 191.58,122.6 192.46,122.6 193.22,121.85 193.22,121.03 187.63,115.44 171.04,115.44 166.82,119.67 166.82,120.38 166.84,121.1
Net-(LED8-DOUT): length 34.9
  Bottom Layer w0.153: 210.63,122.6 210.66,123.3 210.66,123.43 209.87,124.21 199.81,124.21 198.34,122.74 198.34,122.07 197.64,121.37 196.32,121.37 193.52,124.18 185.01,124.18 183.56,122.72 183.56,122.13 183.98,121.7 184.29,121.7 184.89,121.1 185.89,121.1
Net-(LED10-DIN): length 38.7
  Top Layer w0.153: v1(206.08,119.42) 210.74,119.42 213.82,122.5 v1(224.99,122.5)
  Bottom Layer w0.153: v1(224.99,122.5) 226.66,124.17 238.52,124.17 239.24,123.45 239.24,123.33 239.19,122.6 ; 204.94,121.1 204.91,120.25 204.91,120.11 205.6,119.42 v1(206.08,119.42)
Net-(LED10-DOUT): length 29.6
  Bottom Layer w0.153: 258.26,122.6 258.28,123.37 258.28,123.65 257.73,124.21 247.44,124.21 245.97,122.74 245.97,122.08 243.36,119.48 234.29,119.48 233.49,120.27 233.49,120.4 233.52,121.1
Net-(LED11-DOUT): length 29.3
  Bottom Layer w0.153: 277.3,122.6 277.33,123.34 277.33,123.47 276.49,124.32 270.64,124.32 266.96,120.63 261.09,120.63 259.98,119.53 253.04,119.53 252.46,120.11 252.46,120.25 252.55,121.1
Net-(LED12-DOUT): length 33.1
  Top Layer w0.153: v1(275.67,116.32) 279.95,116.32 287.81,124.17 295.84,124.17 v1(297.38,122.63)
  Bottom Layer w0.153: 271.6,121.1 271.6,120.4 275.2,116.8 275.2,116.79 v1(275.67,116.32) ; 296.36,122.6 297.36,122.6 v1(297.38,122.63)
Net-(LED13-DOUT): length 285.7
  Bottom Layer w0.153: 290.67,121.1 289.67,121.1 289.07,121.7 288.72,121.7 280.65,129.77 275.59,129.77 274.87,130.01 271.58,133.31 248.79,133.31 246.08,130.59 235.51,130.59 235.23,130.87 232.12,130.87 222.67,121.43 216.72,121.43 214.63,119.35 212.38,119.35 207.25,114.22 53.53,114.22 36.33,97.01 36.33,93.42 35.68,92.76 33.97,92.76 32.71,94.02 29.65,94.02
Net-(LED14-DOUT): length 29.3
  Bottom Layer w0.153: 48.71,94.02 48.73,94.8 48.73,95.09 48.15,95.67 41.85,95.67 38,91.83 29.58,91.83 28.7,90.94 24.45,90.94 23.94,91.46 23.94,91.71 23.97,92.52
Net-(LED15-DOUT): length 29.6
  Bottom Layer w0.153: 67.75,94.02 67.78,94.8 67.78,95.09 67.2,95.67 61.1,95.67 57.26,91.83 49.36,91.83 48.34,90.81 43.47,90.81 42.96,91.32 42.96,91.81 43.05,92.52
Net-(LED16-DOUT): length 29.6
  Bottom Layer w0.153: 62.06,92.52 62.04,91.9 62.04,91.21 62.3,90.95 72.34,90.95 73.28,91.89 76.12,91.89 79.86,95.63 86.58,95.63 86.83,95.39 86.83,94.7 86.81,94.02
Net-(LED17-DOUT): length 29.1
  Bottom Layer w0.153: 105.85,94.02 105.88,94.78 105.88,94.9 105.15,95.63 99.62,95.63 96.33,92.34 92.43,92.34 91.01,90.92 81.8,90.92 81.09,91.63 81.09,91.75 81.12,92.52
Net-(LED18-DOUT): length 29.6
  Bottom Layer w0.153: 124.9,94.02 124.93,94.82 124.93,94.94 124.2,95.66 114.12,95.66 112.64,94.18 112.64,93.52 110.05,90.93 100.69,90.93 100.14,91.48 100.14,91.75 100.17,92.52
Net-(LED19-DOUT): length 29.1
  Bottom Layer w0.153: 143.96,94.02 144,94.78 144,94.9 143.24,95.66 138.12,95.66 134.49,92.04 131.02,92.04 129.92,90.94 119.9,90.94 119.19,91.65 119.19,91.77 119.22,92.52
Net-(LED20-DOUT): length 29.6
  Bottom Layer w0.153: 163,94.02 163.03,94.8 163.03,94.92 162.27,95.68 152.22,95.68 150.68,94.14 150.68,93.46 148.15,90.93 138.79,90.93 138.24,91.48 138.24,91.75 138.27,92.52
Net-(LED21-DOUT): length 29.3
  Bottom Layer w0.153: 182.05,94.02 182.08,94.8 182.08,95.09 181.49,95.67 176.17,95.67 172.38,91.89 167.89,91.89 166.94,90.95 157.92,90.95 157.28,91.59 157.28,91.73 157.33,92.52
Net-(LED22-DOUT): length 29.1
  Bottom Layer w0.153: 176.35,92.52 176.3,91.92 176.3,91.78 177.16,90.92 185.25,90.92 186.07,91.74 190.39,91.74 194.27,95.62 200.44,95.62 201.13,94.93 201.13,94.82 201.1,94.02
Net-(LED23-DOUT): length 31.4
  Bottom Layer w0.153: 195.42,92.52 195.39,91.75 195.39,91.42 197.4,89.41 218.97,89.41 221.02,91.46 221.02,93.31 220.3,94.02 220.16,94.02
Net-(LED24-DOUT): length 30.1
  Top Layer w0.153: v1(213.42,92.92) 213.42,93.51 215.68,95.77 219.78,95.77 v1(220.13,96.12)
  Bottom Layer w0.153: 239.2,94.02 239.23,94.72 239.23,94.88 238.24,95.87 220.38,95.87 v1(220.13,96.12) ; v1(213.42,92.92) 213.42,92.76 213.66,92.52 214.46,92.52
Net-(LED25-DOUT): length 29.6
  Bottom Layer w0.153: 258.26,94.02 258.29,94.8 258.29,95.06 257.75,95.61 247.41,95.61 245.97,94.17 245.97,93.51 243.34,90.87 234.23,90.87 233.49,91.61 233.49,91.73 233.52,92.52
Net-(LED26-DOUT): length 38.6
  Bottom Layer w0.153: 252.6,92.52 252.52,91.85 252.52,91.72 253.33,90.91 260.28,90.91 261.83,92.46 267.64,92.46 270.8,95.62 286.12,95.62 286.86,94.88 286.86,94.76 286.83,94.02
Net-(LED27-DOUT): length 262.4
  Bottom Layer w0.153: 34.41,74.97 35.41,74.97 36.6,73.79 40.52,73.79 52.4,85.67 73.23,85.67 75.93,82.97 80.91,82.97 81.08,83.14 90.9,83.14 91.09,82.95 104.16,82.95 106.91,85.7 130.41,85.7 133.18,82.92 137.06,82.92 139.8,85.67 187.49,85.67 190.25,82.9 192.86,82.9 193.41,83.45 208.73,83.45 209.22,82.96 213.34,82.96 216.05,85.67 256.39,85.67 262.32,91.6 267.93,91.6 268.86,92.52 281.14,92.52
Net-(LED28-DOUT): length 34.1
  Bottom Layer w0.153: 28.73,73.47 28.7,72.74 28.7,72.61 29.5,71.82 39.01,71.82 43.82,76.63 57.68,76.63 58.25,76.06 58.25,75.77 58.23,74.97
Net-(LED29-DOUT): length 29.5
  Bottom Layer w0.153: 52.55,73.47 52.5,72.74 52.5,72.61 53.27,71.85 62.4,71.85 65.01,74.47 65.01,75.23 66.36,76.57 76.57,76.57 77.31,75.83 77.31,75.71 77.28,74.97
Net-(LED30-DOUT): length 29.8
  Bottom Layer w0.153: 71.59,73.47 71.56,72.68 71.56,72.41 72.12,71.85 81.49,71.85 83.76,74.13 83.76,74.83 85.55,76.62 95.78,76.62 96.36,76.04 96.36,75.75 96.33,74.97
Net-(LED31-DOUT): length 29.4
  Top Layer w0.153: v1(98.98,73.04) 104.94,73.04 108.57,76.67 v1(110.56,76.67)
  Bottom Layer w0.153: 115.38,74.97 115.41,75.77 115.41,76.06 114.83,76.65 110.58,76.65 v1(110.56,76.67) ; v1(98.98,73.04) 97.85,71.9 91.16,71.9 90.61,72.45 90.61,72.72 90.64,73.47
Net-(LED32-DOUT): length 29.4
  Bottom Layer w0.153: 109.69,73.47 109.67,72.76 109.67,72.28 110.07,71.87 119.9,71.87 121.01,72.97 123.82,72.97 127.45,76.6 133.9,76.6 134.45,76.04 134.45,75.77 134.43,74.97
Net-(LED33-DOUT): length 29.3
  Bottom Layer w0.153: 153.48,74.97 153.51,75.75 153.51,76.04 152.92,76.62 146.51,76.62 143.33,73.44 137.82,73.44 136.26,71.88 129.3,71.88 128.72,72.47 128.72,72.74 128.74,73.47
Net-(LED34-DOUT): length 29.6
  Bottom Layer w0.153: 147.79,73.47 147.76,72.68 147.76,72.43 148.28,71.91 157.69,71.91 159.99,74.21 159.99,74.86 161.74,76.6 171.82,76.6 172.55,75.87 172.55,75.75 172.53,74.97
Net-(LED35-DOUT): length 29.5
  Bottom Layer w0.153: 191.58,74.97 191.61,75.75 191.61,75.86 190.93,76.54 180.73,76.54 179.03,74.85 179.03,74.19 176.66,71.81 167.58,71.81 166.82,72.58 166.82,72.7 166.84,73.47
Net-(LED36-DOUT): length 29.6
  Bottom Layer w0.153: 210.63,74.97 210.65,75.65 210.65,76.33 210.41,76.57 204.13,76.57 200.96,73.4 194.69,73.4 193.15,71.87 186.27,71.87 185.84,72.3 185.84,72.8 185.93,73.47
Net-(LED37-DOUT): length 29.1
  Bottom Layer w0.153: 229.68,74.97 229.7,75.69 229.7,75.82 228.92,76.6 223.84,76.6 219.74,72.5 215.69,72.5 215.09,71.9 205.6,71.9 204.91,72.59 204.91,72.7 204.94,73.47
Net-(LED38-DOUT): length 29.1
  Bottom Layer w0.153: 248.72,74.97 248.75,75.75 248.75,75.87 248,76.63 241.77,76.63 238.1,72.96 235.28,72.96 234.16,71.84 224.84,71.84 223.97,72.7 223.97,73.47
Net-(LED39-DOUT): length 29.6
  Bottom Layer w0.153: 267.78,74.97 267.8,75.73 267.8,75.85 267.09,76.56 256.84,76.56 255.3,75.02 255.3,74.21 252.91,71.82 243.73,71.82 243,72.55 243,72.7 243.05,73.47
Net-(LED40-DOUT): length 42.1
  Bottom Layer w0.153: 291.59,74.97 291.74,74.97 292.65,74.06 292.65,71.88 284.61,63.85 283.57,63.85 275.55,71.86 262.66,71.86 262.03,72.5 262.03,72.8 262.11,73.47
Net-(LED41-DOUT): length 271.9
  Bottom Layer w0.153: 285.9,73.47 284.91,73.47 272.69,85.69 259.31,85.69 256.58,82.96 245.94,82.96 245.75,83.16 230.39,83.16 230.21,82.98 227.68,82.98 227.53,83.14 214.1,83.14 213.6,82.64 209.03,82.64 208.53,83.14 196.24,83.14 195.63,82.53 189,82.53 188.34,83.19 180.26,83.19 180.04,82.97 169.79,82.97 169.6,83.15 164.17,83.15 163.99,82.97 149.08,82.97 148.93,83.13 137.73,83.13 137.21,82.61 130.67,82.61 130.16,83.13 126.52,83.13 126.37,82.97 109.45,82.97 109.2,83.23 108.19,83.23 102.83,77.87 102.83,74.18 95.51,66.86 75.43,66.86 72.51,63.93 58.57,63.93 58.4,64.1 52.43,64.1 43.06,54.73 38.99,54.73 37.79,55.92 36.8,55.92
Net-(LED42-DOUT): length 36.2
  Bottom Layer w0.153: 63,55.92 63.02,56.7 63.02,56.81 62.32,57.51 51.09,57.51 46.4,52.83 31.9,52.83 31.09,53.63 31.09,54.42
Net-(LED43-DOUT): length 29.4
  Bottom Layer w0.153: 82.05,55.92 82.1,56.6 82.1,56.88 81.5,57.48 75.24,57.48 72.19,54.43 65.04,54.43 63.34,52.73 57.82,52.73 57.28,53.27 57.28,53.79 57.3,54.42
Net-(LED44-DOUT): length 29.2
  Bottom Layer w0.153: 101.09,55.92 101.11,56.64 101.11,56.77 100.33,57.55 94.42,57.55 90.56,53.68 86.51,53.68 85.65,52.82 76.92,52.82 76.33,53.41 76.33,53.69 76.35,54.42
Net-(LED45-DOUT): length 29
  Bottom Layer w0.153: 120.14,55.92 120.17,56.72 120.17,56.83 119.51,57.49 113.48,57.49 109.76,53.77 106.2,53.77 105.25,52.82 96.17,52.82 95.39,53.61 95.39,54.42
Net-(LED46-DOUT): length 29.7
  Bottom Layer w0.153: 139.19,55.92 139.22,56.66 139.22,56.82 138.24,57.79 128.55,57.79 126.68,55.93 126.68,55.17 124.36,52.84 115.15,52.84 114.42,53.57 114.42,53.69 114.45,54.42
Net-(LED47-DOUT): length 29.8
  Bottom Layer w0.153: 158.24,55.92 158.27,56.68 158.27,56.85 157.22,57.9 147.8,57.9 145.95,56.05 145.95,55.39 143.42,52.85 134.14,52.85 133.47,53.52 133.47,53.63 133.5,54.42
Net-(LED48-DOUT): length 31.5
  Top Layer w0.153: v1(160.56,50.97) 154.65,50.97 v1(152.09,53.54)
  Bottom Layer w0.153: 177.3,55.92 177.33,56.7 177.33,56.98 176.75,57.55 170.43,57.55 166.65,53.77 163.37,53.77 v1(160.56,50.97) ; 152.56,54.42 152.53,53.79 152.28,53.54 v1(152.09,53.54)
Net-(LED49-DOUT): length 29.6
  Bottom Layer w0.153: 196.34,55.92 196.37,56.7 196.37,56.98 195.82,57.52 185.51,57.52 184,56.01 184,55.35 181.45,52.8 172.26,52.8 171.57,53.5 171.57,53.65 171.62,54.42
Net-(LED50-DOUT): length 29.3
  Bottom Layer w0.153: 215.41,55.92 215.5,56.77 215.5,56.9 214.84,57.56 208.91,57.56 205.75,54.4 199.03,54.4 197.45,52.82 191.34,52.82 190.63,53.53 190.63,53.65 190.65,54.42
Net-(LED51-DOUT): length 29.2
  Bottom Layer w0.153: 234.44,55.92 234.47,56.68 234.47,56.8 233.72,57.55 228.45,57.55 224.63,53.73 215.73,53.73 214.81,52.82 210.28,52.82 209.68,53.43 209.68,53.71 209.7,54.42
Net-(LED52-DOUT): length 38.1
  Bottom Layer w0.153: 253.5,55.92 254.3,55.92 255.1,55.12 255.1,54.43 245.12,44.45 243.03,44.45 238.5,48.99 232.79,48.99 228.73,53.05 228.73,53.73 228.76,54.42
Net-(LED53-DOUT): length 57.9
  Bottom Layer w0.153: 247.8,54.42 246.94,54.42 246.21,55.15 246.21,56.09 247.68,57.56 253.16,57.56 257.86,52.86 257.86,51.76 259.66,49.96 267.64,49.96 270.2,47.4 272.24,47.4 274.9,44.75 279.85,44.75 286.03,50.93 286.03,55.18 285.29,55.92 284.45,55.92
Net-(LED54-DOUT): length 258.3
  Bottom Layer w0.153: 41.56,36.88 42.56,36.88 43.74,35.69 48.96,35.69 60.83,47.56 153.37,47.56 160.53,54.72 164.36,54.72 164.64,55 164.64,58.65 170.09,64.09 174.42,64.09 174.66,63.85 178.31,63.85 178.54,64.08 190.94,64.08 191.1,63.92 199.83,63.92 202.85,66.95 265.06,66.95 276.6,55.4 276.79,55.4 277.76,54.42 278.8,54.42
Net-(LED55-DOUT): length 41
  Bottom Layer w0.153: 72.52,36.88 72.55,37.67 72.55,37.78 71.86,38.46 55.98,38.46 52.83,35.31 47.42,35.31 45.88,33.77 37.31,33.77 37.19,33.84 36.48,33.84 35.85,34.47 35.85,34.62 35.87,35.38
Net-(LED56-DOUT): length 29.6
  Bottom Layer w0.153: 91.57,36.88 91.59,37.61 91.59,37.73 90.85,38.47 80.74,38.47 79.02,36.75 79.02,36.05 76.68,33.71 67.55,33.71 66.8,34.46 66.8,34.58 66.83,35.38
Net-(LED57-DOUT): length 29
  Bottom Layer w0.153: 85.88,35.38 85.85,34.6 86.06,34.6 86.84,33.81 98.23,33.81 99.63,35.21 101.24,35.21 104.52,38.49 109.89,38.49 110.65,37.74 110.65,37.61 110.62,36.88
Net-(LED58-DOUT): length 29.2
  Bottom Layer w0.153: 104.93,35.38 104.9,34.54 104.9,34.29 105.38,33.8 111.11,33.8 112.47,35.16 120.05,35.16 123.41,38.53 128.92,38.53 129.69,37.76 129.69,37.63 129.67,36.88
Net-(LED59-DOUT): length 29.8
  Bottom Layer w0.153: 148.72,36.88 148.74,37.61 148.74,37.73 148,38.48 137.8,38.48 136.24,36.92 136.24,36.16 133.85,33.77 124.22,33.77 123.96,34.04 123.96,34.75 123.98,35.38
Net-(LED60-DOUT): length 29.3
  Bottom Layer w0.153: 167.77,36.88 167.8,37.65 167.8,37.77 167.05,38.52 161.21,38.52 157.31,34.63 148.48,34.63 147.58,33.73 143.6,33.73 143,34.33 143,34.62 143.03,35.38
Net-(LED61-DOUT): length 29.3
  Bottom Layer w0.153: 162.12,35.38 162.03,34.68 162.03,34.37 162.73,33.67 167.17,33.67 168.15,34.65 176.69,34.65 180.54,38.49 186.15,38.49 186.84,37.8 186.84,37.69 186.81,36.88
Net-(LED62-DOUT): length 29.1
  Top Layer w0.153: v1(205.83,37.75) 205.12,38.46 193.52,38.46 v1(188.75,33.69)
  Bottom Layer w0.153: v1(205.83,37.75) 205.89,37.69 205.89,37.51 205.87,36.88 ; v1(188.75,33.69) 181.86,33.69 181.1,34.46 181.1,34.58 181.13,35.38
Net-(LED63-DOUT): length 29.1
  Bottom Layer w0.153: 200.19,35.38 200.15,34.56 200.15,34.42 200.8,33.77 205.49,33.77 206.36,34.64 215.17,34.64 218.96,38.44 224.27,38.44 224.95,37.76 224.95,37.65 224.92,36.88
Net-(LED64-DOUT): length 29.1
  Bottom Layer w0.153: 243.97,36.88 243.99,37.61 243.99,37.73 243.25,38.47 236.98,38.47 233.66,35.15 230.53,35.15 229.14,33.76 219.96,33.76 219.2,34.52 219.2,34.64 219.23,35.38
Net-(LED65-DOUT): length 47.1
  Top Layer w0.153: v1(237.83,33.6) 248.09,33.6 v1(249.41,34.92)
  Bottom Layer w0.153: v1(249.41,34.92) 253.12,38.63 278.84,38.63 279.71,37.75 279.71,37.61 279.68,36.88 ; 238.28,35.38 238.25,34.52 238.25,34.01 v1(237.83,33.6)
Net-(LED66-DOUT): length 77.2
  Top Layer w0.153: v1(282.47,32.46) 285.09,29.84 v1(296.33,29.84)
  Bottom Layer w0.153: v1(296.33,29.84) 312.58,29.84 316.58,25.83 331.6,25.83 340.07,34.3 340.07,36.17 339.36,36.88 339.22,36.88 ; 274.01,35.38 273.96,34.6 273.96,34.27 275.78,32.46 v1(282.47,32.46)
Net-(LED67-DOUT): length 314.2
  Top Layer w0.153: v1(326.59,30.39) 321.32,25.13 316.82,25.13 311.19,19.5 304.39,19.5 296.19,11.29 41.09,11.29 v1(35.14,17.24)
  Bottom Layer w0.153: 333.53,35.38 332.53,35.38 327.55,30.39 v1(326.59,30.39) ; 32.04,17.82 34.55,17.82 v1(35.14,17.24)
Net-(LED68-DOUT): length 33.9
  Bottom Layer w0.153: 55.85,17.82 55.87,18.52 55.87,18.65 55.09,19.43 44.95,19.43 40.42,14.89 31.28,14.89 31.09,14.7 26.95,14.7 26.32,15.33 26.32,15.61 26.35,16.32
Net-(LED69-DOUT): length 34
  Bottom Layer w0.153: 50.16,16.32 50.14,15.59 50.14,15.12 50.53,14.72 63.1,14.72 67.8,19.42 78.95,19.42 79.69,18.68 79.69,18.56 79.66,17.82
Net-(LED70-DOUT): length 84.8
  Bottom Layer w0.153: 151.1,17.82 151.13,18.6 151.13,18.74 150.27,19.6 147.37,19.6 143.78,23.18 131.48,23.18 124.78,16.48 85.25,16.48 83.38,14.61 74.64,14.61 73.92,15.33 73.92,15.65 74.01,16.32
Net-(LED71-DOUT): length 82.9
  Bottom Layer w0.153: 222.54,17.82 222.57,18.58 222.57,18.7 221.85,19.42 191.1,19.42 185.03,13.34 147.03,13.34 145.37,15 145.37,15.67 145.45,16.32
Net-(LED72-DOUT): length 33.9
  Bottom Layer w0.153: 246.35,17.82 246.38,18.58 246.38,18.7 245.67,19.41 234.35,19.41 230.55,15.61 224.67,15.61 223.81,14.76 217.45,14.76 216.82,15.39 216.82,15.53 216.85,16.32
Net-(LED73-DOUT): length 33.9
  Bottom Layer w0.153: 240.67,16.32 240.62,15.55 240.62,15.41 241.28,14.75 253.46,14.75 258.12,19.41 269.48,19.41 270.19,18.7 270.19,18.58 270.17,17.82
Net-(LED74-DOUT): length 34.2
  Bottom Layer w0.153: 293.98,17.82 294,18.62 294,18.74 293.27,19.47 282.97,19.47 278.38,14.88 269.16,14.88 268.92,14.64 264.99,14.64 264.44,15.18 264.44,15.7 264.48,16.32
Net-(LED75-DOUT): length 37.5
  Bottom Layer w0.153: 288.29,16.32 288.26,15.57 288.26,15.25 290.18,13.33 304.79,13.33 306.8,15.34 309.83,15.34 313.94,19.45 319.39,19.45 320.19,18.65 320.19,18.52 320.16,17.82
Net-(LED76-DOUT): length 29.4
  Top Layer w0.153: v1(316.32,14.57) 328.33,14.57 v1(330.94,17.18)
  Bottom Layer w0.153: 339.22,17.82 339.24,18.54 339.24,18.83 338.61,19.46 333.22,19.46 v1(330.94,17.18) ; 314.48,16.32 314.45,15.47 314.45,15.32 315.2,14.57 v1(316.32,14.57)
Net-(LED77-DOUT): length 32.4
  Bottom Layer w0.153: 333.53,16.32 333.5,15.57 333.5,15.22 335.51,13.21 356.95,13.21 359.92,16.17 359.92,17 359.09,17.82 358.27,17.82
Net-(R1-Pad2): length 326.6
  Top Layer w0.153: v1(340.36,122.42) 340.77,122.83 U2.3
  Bottom Layer w0.153: v1(340.36,122.42) 340.36,125.28 327.87,137.77 81.59,137.77 72.94,129.12 63.86,129.12 62.8,128.06 48.92,128.06 44.58,123.72 44.58,122.71 44.51,122.64 R1.2

## Copper pours and planes (outline as drawn; the poured copper is in the pictures)
+5V on Power Layer 2: 0.52,149.43 384.59,149.43 384.63,140 384.63,0.52 0.52,0.52
GND on Ground Layer 1: 0.52,149.43 384.59,149.43 384.63,140 384.63,0.52 0.52,0.52

## Text on the board
Top Overlay: BUS / BUFFER GATE
